# Altium PCB M5_Display.PcbDoc (part 1 of 2) (continued)
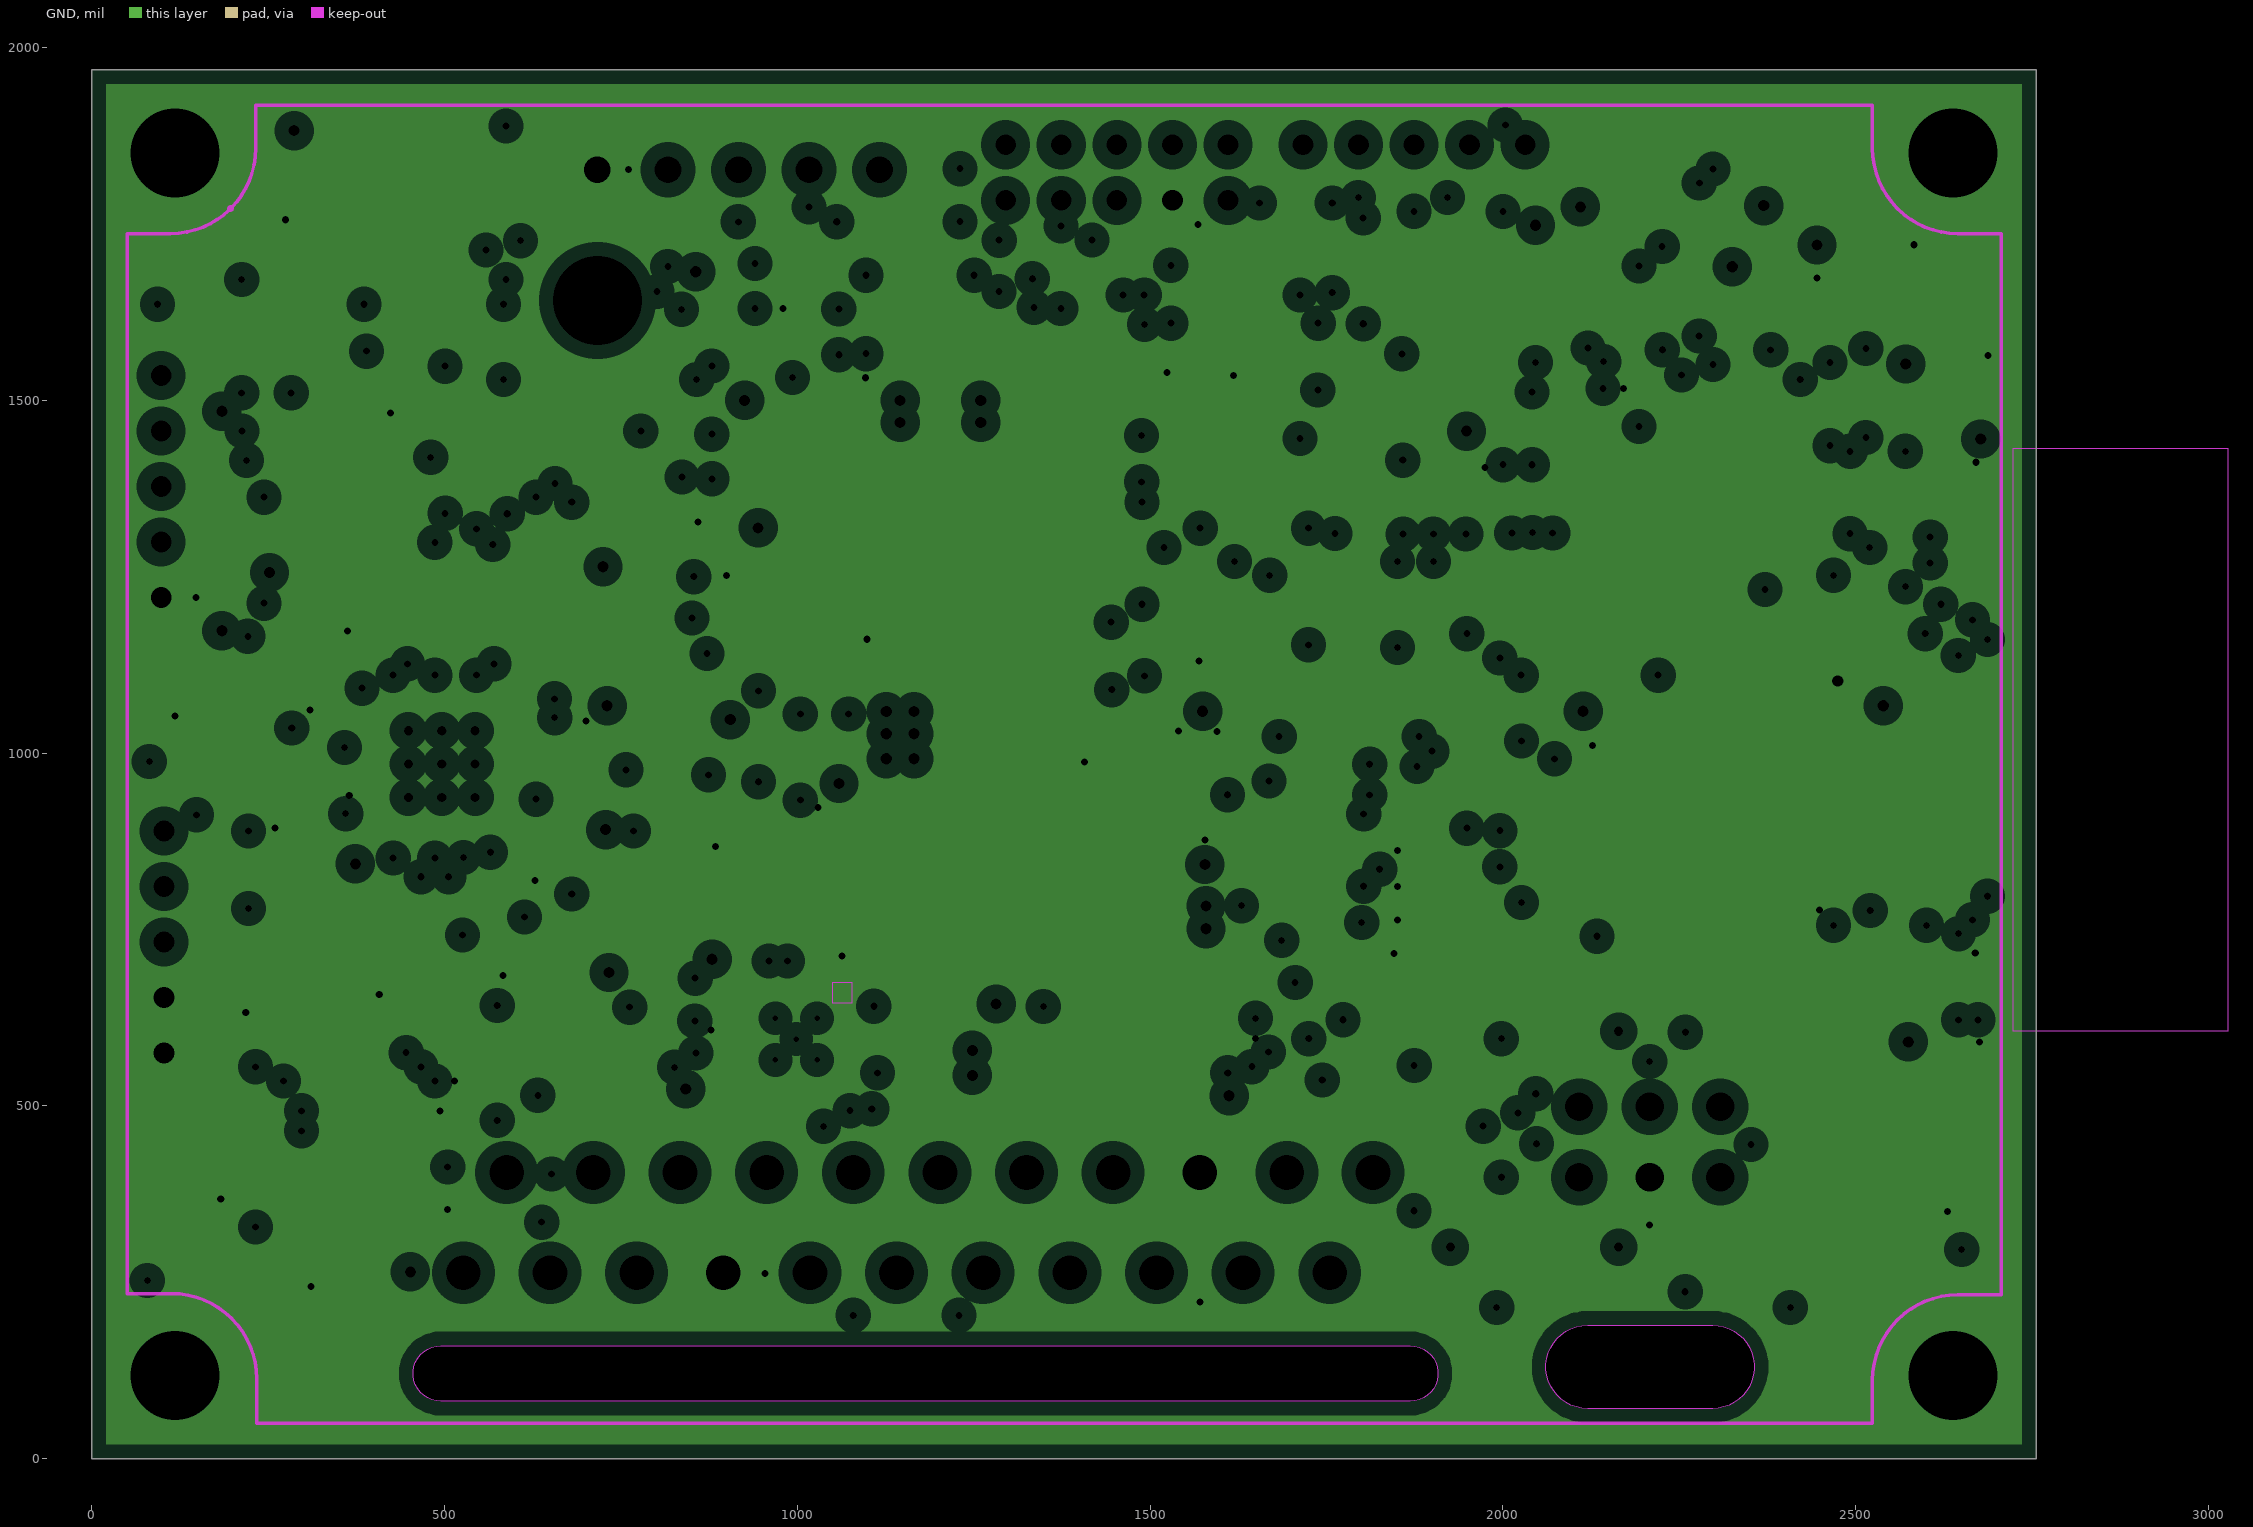
[diagram p3: GND, clearances drawn from the general rule]

## Layer stack, top to bottom
Top Solder: solder mask 0.4, Solder Resist, Dk 3.5
Top Layer: signal copper 1.4
Dielectric1: core 18.53, FR-4, Dk 4.8
PWRS: signal copper 1.4
Dielectric2: prepreg 18.53, FR-4, Dk 4.8
GND: plane copper 1.4, net GND
Dielectric6: core 18.53, FR-4, Dk 4.8
Bottom Layer: signal copper 1.4
Bottom Solder: solder mask 0.4, Solder Resist, Dk 3.5

## Board outline
0,0 2755.91,0 2755.91,1968.5 2755.87,1968.5 0,1968.5
cut-out: 2119.87,71.19 cw(c2119.87,130.24) 2119.87,189.3 2297.03,189.3 cw(c2297.03,130.24) 2297.03,71.19
cut-out: 494.64,81.43 cw(c494.64,120.8) 494.64,160.17 1868.65,160.17 cw(c1868.65,120.8) 1868.65,81.43
cut-out: 494.64,81.43 cw(c494.64,120.8) 494.64,160.17 1868.65,160.17 cw(c1868.65,120.8) 1868.65,81.43
cut-out: 2119.87,71.19 cw(c2119.87,130.24) 2119.87,189.3 2297.03,189.3 cw(c2297.03,130.24) 2297.03,71.19

## Design rules (kind name [scope] priority, off if disabled: settings)
Clearance Clearance_PWRS [InNet('3V3') OR InNet('3V3_ESP')OR InNet('3V3_PERI') OR InNet('VDDA') OR InNet('VIN') OR InNet('VIN_EXT') OR InNet('VIN_PROT') vs InNet('3V3') OR InNet('3V3_ESP')OR InNet('3V3_PERI') OR InNet('VCC_CAN') OR InNet('VDDA') OR InNet('VIN') OR InNet('VIN_EXT') OR InNet('VIN_PROT')] p1: gap=20 ignorepadtopadclearanceinfootprint=FALSE except(0: Arc-Hole Track-Hole SMDPad-Hole THPad-Hole Via-Hole Fill-Hole Poly-Hole Region-Hole Text-Hole; 10: SMDPad-SMDPad)
Clearance Clearance_Pours [InPolygon] p2: gap=13.78 ignorepadtopadclearanceinfootprint=FALSE except(0: Arc-Hole Track-Hole SMDPad-Hole THPad-Hole Via-Hole Fill-Hole Poly-Hole Region-Hole Text-Hole)
Clearance [All] p3: gap=6 ignorepadtopadclearanceinfootprint=FALSE except(0: Arc-Hole Track-Hole SMDPad-Hole THPad-Hole Via-Hole Fill-Hole Poly-Hole Region-Hole Text-Hole)
DiffPairsRouting [All] p1: maxlimit=10 minlimit=10 mostfreqgap=10 toplayer_minwidth=6 toplayer_maxwidth=15 toplayer_prefwidth=6 midlayer1_minwidth=6 midlayer1_maxwidth=15 midlayer1_prefwidth=6 bottomlayer_minwidth=6 bottomlayer_maxwidth=15 bottomlayer_prefwidth=6 maxuncoupledlength=500
HoleSize [All] p1: absolutevalues=TRUE maxlimit=130 minlimit=1 maxpercent=80.000 minpercent=20.000
MinimumSolderMaskSliver MinimumSolderMaskSliverLQFP64 [HasFootprint('LQFP64')] p1: minsoldermaskwidth=0
MinimumSolderMaskSliver [All] p2: minsoldermaskwidth=2
PlaneClearance [All] p1: clearance=20
PlaneConnect [All] p1: planeconnectstyle=Direct reliefexpansion=20 reliefentries=4 reliefconductorwidth=10 reliefairgap=10
PolygonConnect "Via Direct" [IsVia and (InNet('VIN_EXT') or InNet('VIN_PROT') or InNet('NetC2_1') or InNet('NetC2_2') or InNet('+5V'))] p1: connectstyle=Direct reliefconductorwidth=10 reliefentries=4 polygonreliefangle="90 Angle" airgapwidth=10
PolygonConnect PolygonDirect [InNet('VIN_EXT') or InNet('VIN_PROT') or InNet('NetC2_1') or InNet('NetC2_2') or (InNet('+5V'))] p2: connectstyle=Direct reliefconductorwidth=10 reliefentries=4 polygonreliefangle="45 Angle" airgapwidth=10
PolygonConnect Vias [IsVia] p3: connectstyle=Direct reliefconductorwidth=10 reliefentries=4 polygonreliefangle="90 Angle" airgapwidth=10
PolygonConnect [All] p4: connectstyle=Relief reliefconductorwidth=10 reliefentries=4 polygonreliefangle="90 Angle" airgapwidth=10
RoutingVias [All] p1: holewidth=13 width=26 viastyle="Through Hole" minholewidth=10 minwidth=20 maxholewidth=28 maxwidth=50
SilkToSilkClearance [All] p1: silktosilkclearance=5
SilkToSolderMaskClearance SilkscreenOverComponentPads [IsPad] p1: minsilkscreentomaskgap=4 clearancetoexposedcopper=TRUE
SolderMaskExpansion [All] p1: expansion=4 istentingtop=FALSE
Width Width_PWRS [InNet('3V3') OR InNet('3V3_ESP')OR InNet('3V3_PERI') OR InNet('VDDA') OR InNet('VIN') OR InNet('VIN_EXT') OR InNet('VIN_PROT')] p1: maxlimit=20 minlimit=10 preferedwidth=20 minimp=50.000000 maximp=50.000000 favimp=50.000000
Width [All] p2: maxlimit=10 minlimit=6 preferedwidth=6 minimp=50.000000 maximp=50.000000 favimp=50.000000
23 further rules are at their usual default settings.

## Classes and differential pairs
component class U_M5_Display_COMM: C31 C32 C33 C34 C35 C36 C37 C38 C39 DZ7 DZ8 DZ9 DZ10 J10 J11 J12 J13 J15 J16 J17 J18 J19 J20 J21 J23 J24 J27 J28 Q8 Q9 R37 R38 R39 R40 R41 R42 R43 R44 R45 R46 R47 R48 R49 R50 R51 R52 R53 R54 R55 R56 R57 R58 R59 R60 U7 U8 U9
component class U_M5_Display_MCU: BAT1 C18 C19 C20 C21 C24 C25 C26 C27 C28 C29 C30 C40 C41 C42 C43 C44 C45 D5 J8 J9 J25 J26 L3 L4 L5 Q6 Q7 Q10 R26 R27 R28 R29 R30 R31 R32 R33 R34 R35 R36 R61 R62 R63 R64 R65 U3 U4 U5 Y1 Y2
component class U_M5_Display_GPIO: C7 C15 C16 C17 DZ3 DZ4 DZ5 DZ6 DZ11 J4 J5 J6 J7 J14 J22 Q4 Q5 R9 R10 R11 R18 R19 R20 R21 R22 R23 R24 R25
component class U_M5_Display_PWR: C1 C2 C3 C4 C5 C6 D1 D2 D3 DZ1 DZ2 J3 L1 Q1 Q2 R1 R2 R3 R4 R5 R6 R7 R8 R66 U1
component class U_M5_Display_GLCD: C11 C12 C13 C14 J1 J2 J29 Q3 R12 R13 R14 R15 R16 R17 U2
differential pair USB_MCU: +USB_MCU_P -USB_MCU_N
differential pair USB_D_MCU: +USB_D_MCU_P -USB_D_MCU_N

## Components (designator, comment, footprint, x,y, rotation, side; value= is the part's Value field where it differs from the comment)
BAT1 "CR1025SM" CR1025SM 456.69,1480.32 r90 bottom locked
C1 "100nF" 0402 1444.88,972.44 r270 top
C2 "0.1uF 16V" 0402 1110.24,1248.03 r0 top
C3 "10uF 63V" 1210 1291.34,1161.42 r0 top
C4 "10uF 63V" 1210 1291.34,1027.56 r0 top
C5 "10uF 10V" 0603 1362.2,1476.38 r270 top
C6 "10uF 10V" 0603 1429.13,1476.38 r270 top
C7 "1uF 6V3" 0402 523.62,570.87 r180 bottom
C11 "1uF 6V3" 0402 1039.37,881.89 r180 top
C12 "100uF 10V" 1210P 968.5,787.4 r180 top
C13 "1uF 6V3" 0402 933.59,1528.54 r0 top
C14 "100uF 10V" 1210P 1004.22,1426.12 r0 top
C15 "1uF 6V3" 0402 444.88,366.14 r180 bottom
C16 "100nF" 0402 748.03,814.96 r180 bottom
C17 "100nF" 0402 948.82,814.96 r0 bottom
C18 "100nF" 0402 2677.17,1507.87 r270 top
C19 "1uF 6V3" 0402 2677.17,1625.98 r90 top
C20 "100uF 10V" 1210P 2586.61,1555.12 r90 top
C21 "1uF 6V3" 0402 2444.88,1625.98 r90 top
C24 "10uF 6.3V" 0603 295.28,814.96 r180 top
C25 "1uF 6V3" 0402 311.02,870.08 r180 top
C26 "100nF" 0402 925.2,1277.69 r0 bottom
C27 "100nF" 0402 118.11,988.19 r90 top
C28 "8.2pF" 0402 236.22,988.19 r270 top
C29 "27pF" 0402 283.46,988.19 r270 top
C30 "33pF" 0402 330.71,988.19 r270 top
C31 "100nF" 0402 2629.92,590.55 r0 top
C32 "100nF" 0402 2472.44,1066.93 r0 bottom
C33 "100nF" 0402 2472.44,1011.81 r180 bottom
C34 "100nF" 0402 2472.44,862.2 r180 bottom
C35 "100nF" 0402 2472.44,960.63 r180 bottom
C36 "100nF" 0402 2472.44,811.02 r0 bottom
C37 "100nF" 0402 1618.11,1098.43 r270 top
C38 "560pF" 0402 1618.11,1582.68 r90 top
C39 "560pF" 0402 1665.35,1582.68 r270 top
C40 "100nF" 0402 311.02,917.32 r180 top
C41 "100nF" 0402 283.46,1192.91 r90 top
C42 "2.2uF 6V3" 0402 333.2,1192.91 r270 top
C43 "10nF" 0402 283.46,1078.74 r90 top
C44 "100nF" 0402 236.22,1078.74 r90 top
C45 "100nF" 0402 657.48,1014.1 r180 bottom
D1 "STPS3L60U" SMBK 1496.33,515.61 r90 top
D2 "1N4148WT" SOD523 1118.11,1299.21 r180 top
D3 "B1100" SMB 1326.77,1322.83 r180 top
D5 "USBLC6-2SC6" SOT23-6 224.41,712.6 r90 bottom
DZ1 "30V 2W" DO-214AC 1468.5,992.13 r270 bottom
DZ2 "3V6 150mW" SOD523 1471.97,895.4 r180 top
DZ3 "3V6 150mW" SOD523 1995.52,1520.07 r90 bottom
DZ4 "3V6 150mW" SOD523 318.9,413.39 r180 bottom
DZ5 "5V1 200mW" SOD523 737.15,767.72 r180 bottom
DZ6 "5V1 200mW" SOD523 952.21,862.51 r0 bottom
DZ7 "3V6 150mW" SOD523 1917.32,862.2 r0 bottom
DZ8 "3V6 150mW" SOD523 1917.32,811.02 r0 bottom
DZ9 "3V6 150mW" SOD523 1917.32,712.6 r0 bottom
DZ10 "3V6 150mW" SOD523 1917.32,763.78 r0 bottom
DZ11 "3V6 150mW" SOD523 401.57,622.05 r180 bottom
J1 "PIN CABLE" PIN_CABLE#1 649.48,263.58 r270 top
J2 "FPC_40" 62684-401100ALF 759.84,984.25 r270 top locked
J3 "PIN CABLE" PIN_CABLE#1 1754.48,263.58 r270 top
J4 "PIN CABLE" PIN_CABLE#2 833.62,405.82 r90 top
J5 "PIN CABLE" PIN_CABLE#3 1447.54,405.82 r90 top
J6 "PIN CABLE" PIN_CABLE#4 783.48,405.82 r90 top
J7 "PIN CABLE" PIN_CABLE#5 833.66,405.82 r270 top
J8 "2111-1X5G00SB" SIP5_MM 1716.54,1862.2 r0 top locked
J9 "HEADER_5POS_0.1\"" SIP5 716.54,1826.77 r0 top locked
J10 "PIN CABLE" PIN_CABLE#6 1631.7,263.58 r270 top
J11 "PIN CABLE" PIN_CABLE#7 1754.48,263.58 r90 top
J12 "PIN CABLE" PIN_CABLE#8 1853.48,405.82 r90 top
J13 "PIN CABLE" PIN_CABLE#9 1324.77,405.82 r90 top
J14 "PIN CABLE" PIN_CABLE#1 772.26,263.58 r90 top
J15 "PIN CABLE" PIN_CABLE#10 1447.54,404.58 r90 top
J16 "PIN CABLE" PIN_CABLE#11 2120.78,263.58 r270 top
J17 "PIN CABLE" PIN_CABLE#12 2879.79,263.58 r0 top
J18 "PIN CABLE" PIN_CABLE#1 1386.15,263.58 r90 top
J19 "PIN CABLE" PIN_CABLE#13 1263.37,264.82 r90 top
J20 "PIN CABLE" PIN_CABLE#1 1693.73,405.82 r90 top
J21 "PIN CABLE" PIN_CABLE#1 895.04,263.58 r90 top
J22 "PIN CABLE" PIN_CABLE#1 956.43,405.82 r90 top
J23 "HEADER_2x3POS_90º_0.1\"" SIP3_2_90 2107.91,399 r0 top locked
J24 "PIN CABLE" PIN_CABLE#1 1447.58,405.82 r90 top
J25 "2111-1X5G00SB" SIP5_MM 102.36,574.8 r90 bottom
J26 "2111-1X5G00SB" SIP5_MM 98.43,1535.35 r270 bottom
J27 "PIN CABLE" PIN_CABLE#1 526.67,263.58 r90 top
J28 "PIN CABLE" PIN_CABLE#1 1815.9,405.82 r90 top
J29 "HEADER 2x5 MM" SIP5_2_MM 1610.24,1862.2 r180 top locked
L1 "15µH" LPS3015 1251.97,1484.25 r0 top
L3 "100R@100MHz" 0603 177.17,1094.49 r90 top
L4 "100R@100MHz" 0603 177.17,972.44 r90 top
L5 "100R@100MHz" 0603 342.52,1090.55 r270 top
Q1 "IRFR9220TRPBF" DPAK 1165.15,543.61 r0 top
Q2 "BC807" SOT23 1476.38,590.55 r0 bottom
Q3 "FDN337N" SOT23 385.83,1645.67 r0 top
Q4 "FDN337N" SOT23 177.17,405.51 r270 bottom
Q5 "DDC115EU-7-F" SOT363 846.46,814.96 r90 bottom
Q6 "FDN360P" SOT23 2291.34,1826.77 r0 top
Q7 "FDN360P" SOT23 413.39,370.08 r0 top
Q8 "FDN360P" SOT23 1172.68,728.65 r180 bottom
Q9 "FDN337N" SOT23 1168.74,886.13 r180 bottom
Q10 "FDN360P" SOT23 767.72,1165.35 r180 bottom
R1 "10K" 0402 1433.07,720.47 r270 bottom
R2 "4K7" 0402 1500,740.16 r180 bottom
R3 "100K 1%" 0402 1464.57,842.28 r0 top
R4 "100K" 0402 1593.89,596.37 r180 bottom
R5 "1K" 0402 1492.13,972.44 r270 top
R6 "10K 1%" 0402 1539.37,972.44 r270 top
R7 "31K6" 0402 988.19,1208.66 r0 top
R8 "10K 1%" 0402 988.19,1161.12 r180 top
R9 "10K 1%" 0402 523.62,618.11 r0 bottom
R10 "1K" 0402 393.7,570.87 r180 bottom
R11 "DNP" 0805 500,685.04 r180 bottom
R12 "10R" 0603 950.22,1589.97 r180 top
R13 "10R" 0603 480.31,1807.09 r270 top
R14 "10R" 0603 547.24,1807.09 r270 top
R15 "10R" 0603 413.39,1807.09 r270 top
R16 "10R" 0603 346.46,1807.09 r270 top
R17 "10K 1%" 0402 263.78,1594.49 r180 top
R18 "5K6 1%" 0402 1948.27,1512.67 r270 bottom
R19 "470R 1W" 2010 1834.41,1611.09 r270 bottom
R20 "10K 1%" 0402 444.88,413.39 r0 bottom
R21 "1K" 0402 311.02,366.14 r180 bottom
R22 "DNP" 0805 417.32,480.32 r180 bottom
R23 "10K 1%" 0402 196.85,496.06 r180 bottom
R24 "4K7" 0402 948.82,770.15 r180 bottom
R25 "4K7" 0402 748.03,862.2 r0 bottom
R26 "10K 1%" 0402 836.22,1724.41 r0 bottom
R27 "1K" 0402 2492.13,1625.98 r90 top
R28 "33R" 0402 291.34,318.9 r180 top
R29 "100K" 0402 2185.04,1775.59 r180 top
R30 "100K" 0402 291.34,374.02 r0 top
R31 "33R" 0402 2421.26,1460.63 r90 top
R32 "100K" 0402 657.48,1169.29 r0 bottom
R33 "10K 1%" 0402 925.2,1169.29 r180 bottom
R34 "10K 1%" 0402 925.2,1114.17 r180 bottom
R35 "33R" 0402 657.48,1114.17 r180 bottom
R36 "33R" 0402 341.97,701.09 r0 bottom
R37 "100R" 0402 2082.68,862.2 r0 bottom
R38 "100R" 0402 2629.92,322.83 r180 top
R39 "100R" 0402 2082.68,811.02 r180 bottom
R40 "100R" 0402 2082.68,763.78 r0 bottom
R41 "100R" 0402 2082.68,712.6 r0 bottom
R42 "100R" 0402 1748.03,811.02 r0 bottom
R43 "100R" 0402 1748.03,862.2 r0 bottom
R44 "100R" 0402 1748.03,759.84 r0 bottom
R45 "100R" 0402 1748.03,712.6 r0 bottom
R46 "120R" 0402 1570.87,1492.13 r90 top
R47 "100R" 0402 1523.62,1492.13 r270 top
R48 "100R" 0402 1570.87,1582.68 r270 top
R49 "100R" 0402 1665.35,1492.13 r270 top
R50 "100R" 0402 1830.71,1074.8 r0 bottom
R51 "100R" 0402 1830.71,1122.05 r0 bottom
R52 "100K 1%" 0402 1282.92,712.6 r0 bottom
R53 "100R" 0402 2082.68,913.39 r0 bottom
R54 "100R" 0402 1830.71,1023.62 r0 bottom
R55 "100K 1%" 0402 1286.85,913.69 r0 bottom
R56 "100R" 0402 1744.09,1074.8 r180 bottom
R57 "10K 1%" 0402 1286.85,862.2 r0 bottom
R58 "100R" 0402 1744.09,1122.05 r180 bottom
R59 "100R" 0402 2082.68,960.63 r0 bottom
R60 "100R" 0402 1744.09,1023.62 r180 bottom
R61 "33R" 0402 342.52,748.03 r0 bottom
R62 "100K" 0402 330.71,1244.09 r0 bottom
R63 "4K7" 0402 185.04,1381.89 r90 bottom
R64 "4K7" 0402 748.03,1014.1 r0 bottom
R65 "33R" 0402 263.78,1543.31 r180 top
R66 "0R" 0805 1490.16,774.84 r180 top
U1 "MCP16331" SOT23-6 1106.3,1161.42 r270 top
U2 "TSC2046" RGV 998.47,594.8 r270 top
U3 "ESP32-WROVER-E" WROVER-E 2220.47,1015.75 r270 top locked
U4 "MK20DX128VFM5" QFN32EP 496.06,984.58 r0 bottom
U5 "FM24CL64B-GTR" SO8 1118.11,1202.69 r180 bottom
U7 "ST3232ECDR" SOIC16N 2283.46,885.83 r180 bottom
U8 "ST3485EBDR" SO8 2527.56,468.5 r0 top
U9 "SN65HVD231DR" SO8 1594.49,1287.4 r90 top
Y1 "32.768KHz" ECS-1210 2295.37,1448.33 r0 top
Y2 "32.768KHz" ECS-1210 443.41,1163.16 r180 top

## Footprints (in the part's own frame and the unit in brackets; to place one, negate y for a bottom-side part, rotate by r counter-clockwise, add the part's x,y. Pads: shape width x height; smd on the part's side, far side on the other; paste and mask are expansions set on the pad)
0402 [mm]
  rect 0.6x0.5 smd: 1(-0.5,0) 2(0.5,0)
  silkscreen extent -1,-0.5 1,0.5, body extent -0.49,-0.25 0.51,0.25, height 0.38
0603 [mm] "Chip Resistor, 2-Leads, Body 0,6\"x0,3\" - 1,6x0,9mm, IPC High Density"
  rect 0.8x0.95 smd: 1(-0.75,0) 2(0.75,0)
  silkscreen extent -1.42,-0.74 1.42,0.74, body extent -0.8,-0.41 0.8,0.39, height 0.44
0805 [mm] "Chip Resistor, 2-Leads, Body 0,8\"x0,5\" - 2,0x1,3mm, IPC High Density"
  rect 1x1.3 smd: 1(-0.95,0) 2(0.95,0)
  silkscreen extent -1.65,-0.85 1.65,0.85, body extent -1,-0.62 1,0.63, height 0.39
1210 [mil]
  rect 64x108 smd: 1(-67,0) 2(67,0)
  silkscreen extent -110,-64 110,64, body extent -64,-54 62,54, height 20
1210P [mil]
  rect 64x108 smd: 1(-67,0) 2(67,0)
  silkscreen extent -110,-64 110,64, body extent -63,-54 63,54, height 63
2010 [mm]
  rect 1.4x2.8 smd: 1(-2.45,0) 2(2.45,0)
  silkscreen extent -3.5,-1.8 3.5,1.8, body extent -2.51,-1.24 2.49,1.26, height 0.57
62684-401100ALF [mm]
  rect 0.3x1.2 smd: 1(-9.75,1.35) 2(-9.25,1.35) 3(-8.75,1.35) 4(-8.25,1.35) 5(-7.75,1.35) 6(-7.25,1.35) 7(-6.75,1.35) 8(-6.25,1.35) 9(-5.75,1.35) 10(-5.25,1.35) 11(-4.75,1.35) 12(-4.25,1.35) 13(-3.75,1.35) 14(-3.25,1.35) 15(-2.75,1.35) 16(-2.25,1.35) 17(-1.75,1.35) 18(-1.25,1.35) 19(-0.75,1.35) 20(-0.25,1.35) 21(0.25,1.35) 22(0.75,1.35) 23(1.25,1.35) 24(1.75,1.35) 25(2.25,1.35) 26(2.75,1.35) 27(3.25,1.35) 28(3.75,1.35) 29(4.25,1.35) 30(4.75,1.35) 31(5.25,1.35) 32(5.75,1.35) 33(6.25,1.35) 34(6.75,1.35) 35(7.25,1.35) 36(7.75,1.35) 37(8.25,1.35) 38(8.75,1.35) 39(9.25,1.35) 40(9.75,1.35)
  rect 0.5x0.5 smd: 11(-11.85,-1.35) 11(11.85,-1.35)
  Top Layer region: 10.65,-2.55 10.65,-0.15 12.25,-0.15 12.25,-0.95 13.05,-0.95 13.05,-2.55
  Top Layer region: -10.65,-2.55 -10.65,-0.15 -12.25,-0.15 -12.25,-0.95 -13.05,-0.95 -13.05,-2.55
  silkscreen extent -13.5,-4.3 13.2,2.8, body extent -12.75,-4.02 12.75,1.62, height 2.01
CR1025SM [mm]
  rect 3x3 smd: 1(-7,0) 2(7,0)
  silkscreen extent -8.96,-5 8.96,5, body extent -8.1,-5 7.97,5, height 2.8
DO-214AC [mm] "DO-214AC"
  rect 1.78x2.16 smd: 1(0,0) 2(4.06,0)
  silkscreen extent -1.09,-1.36 5.16,1.42, body extent -0.57,-1.28 4.63,1.32, height 2.4
DPAK [mm]
  rect 1.6x3 smd: 1(0,0) 3(4.6,0)
  rect 6.7x6.7 smd: 2(2.3,6.65)
  silkscreen extent -1.4,-1.85 6,10.36, body extent -0.98,-0.85 5.56,9.08, height 2.36
ECS-1210 [mm]
  rect 0.575x1.14 smd mask+0.07: 1(-0.413,0) 2(0.413,0)
  silkscreen extent -0.65,-0.77 0.65,0.77, body extent -0.6,-0.5 0.6,0.5, height 0.35
LPS3015 [mil]
  rect 2x2 smd: 1(-42.5,0) 2(42.5,0)
  Top Layer region: -20,32.5 -20,60 -55,60 -65,50 -65,-50 -55,-60 -20,-60 -20,-32.5 -35,-20 -35,20
  Top Layer region: 20,32.5 20,60 55,60 65,50 65,-50 55,-60 20,-60 20,-32.5 35,-20 35,20
  silkscreen extent -71,-64 71,64, body extent -58,-58 58,58, height 55
PIN_CABLE#1 [mm]
  oval 2.5x2 hole 1.25: 1(0,0)
PIN_CABLE#2 [mm]
  oval 2.5x2 hole 1.25: 1(0,-6.238)
PIN_CABLE#3 [mm]
  oval 2.5x2 hole 1.25: 1(0,21.83)
PIN_CABLE#4 [mm]
  oval 2.5x2 hole 1.25: 1(0,-1.274)
PIN_CABLE#5 [mm]
  oval 2.5x2 hole 1.25: 1(0,-3.119)
PIN_CABLE#6 [mm]
  oval 2.5x2 hole 1.25: 1(0,-12.474)
PIN_CABLE#7 [mm]
  oval 2.5x2 hole 1.25: 1(0,18.711)
PIN_CABLE#8 [mm]
  oval 2.5x2 hole 1.25: 1(0,7.192)
PIN_CABLE#9 [mm]
  oval 2.5x2 hole 1.25: 1(0,3.118)
PIN_CABLE#10 [mm]
  oval 2.5x2 hole 1.25: 1(-3.581,4.678)
PIN_CABLE#11 [mm]
  oval 2.5x2 hole 1.25: 1(0,-12.423)
PIN_CABLE#12 [mm]
  oval 2x2.5 hole 1.25: 1(-34.82,0)
PIN_CABLE#13 [mm]
  oval 2.5x2 hole 1.25: 1(3.581,-1.56)
QFN32EP [mm] "QFN, 32-Leads, Body 5,1x5,1mm (max), Pitch 0,50mm, IPC Medium Density"
  rect 0.65x0.25 smd paste-0.025 mask+0.025: 1(-2.525,1.75) 2(-2.525,1.25) 3(-2.525,0.75) 4(-2.525,0.25) 5(-2.525,-0.25) 6(-2.525,-0.75) 7(-2.525,-1.25) 8(-2.525,-1.75) 17(2.525,-1.75) 18(2.525,-1.25) 19(2.525,-0.75) 20(2.525,-0.25) 21(2.525,0.25) 22(2.525,0.75) 23(2.525,1.25) 24(2.525,1.75)
  rect 0.25x0.65 smd paste-0.025 mask+0.025: 9(-1.75,-2.525) 10(-1.25,-2.525) 11(-0.75,-2.525) 12(-0.25,-2.525) 13(0.25,-2.525) 14(0.75,-2.525) 15(1.25,-2.525) 16(1.75,-2.525) 25(1.75,2.525) 26(1.25,2.525) 27(0.75,2.525) 28(0.25,2.525) 29(-0.25,2.525) 30(-0.75,2.525) 31(-1.25,2.525) 32(-1.75,2.525)
  rect 3.1x3.1 smd paste-0.025: za(0,0)
  Top Layer pour cut-out: -3.1,3.1 3.1,3.1 3.1,-3.1 -3.1,-3.1
  silkscreen extent -2.55,-2.55 2.55,2.55, body extent -2.51,-2.5 2.49,2.5, height 0.7